# KiCad board 128CR.kicad_pcb (continued)
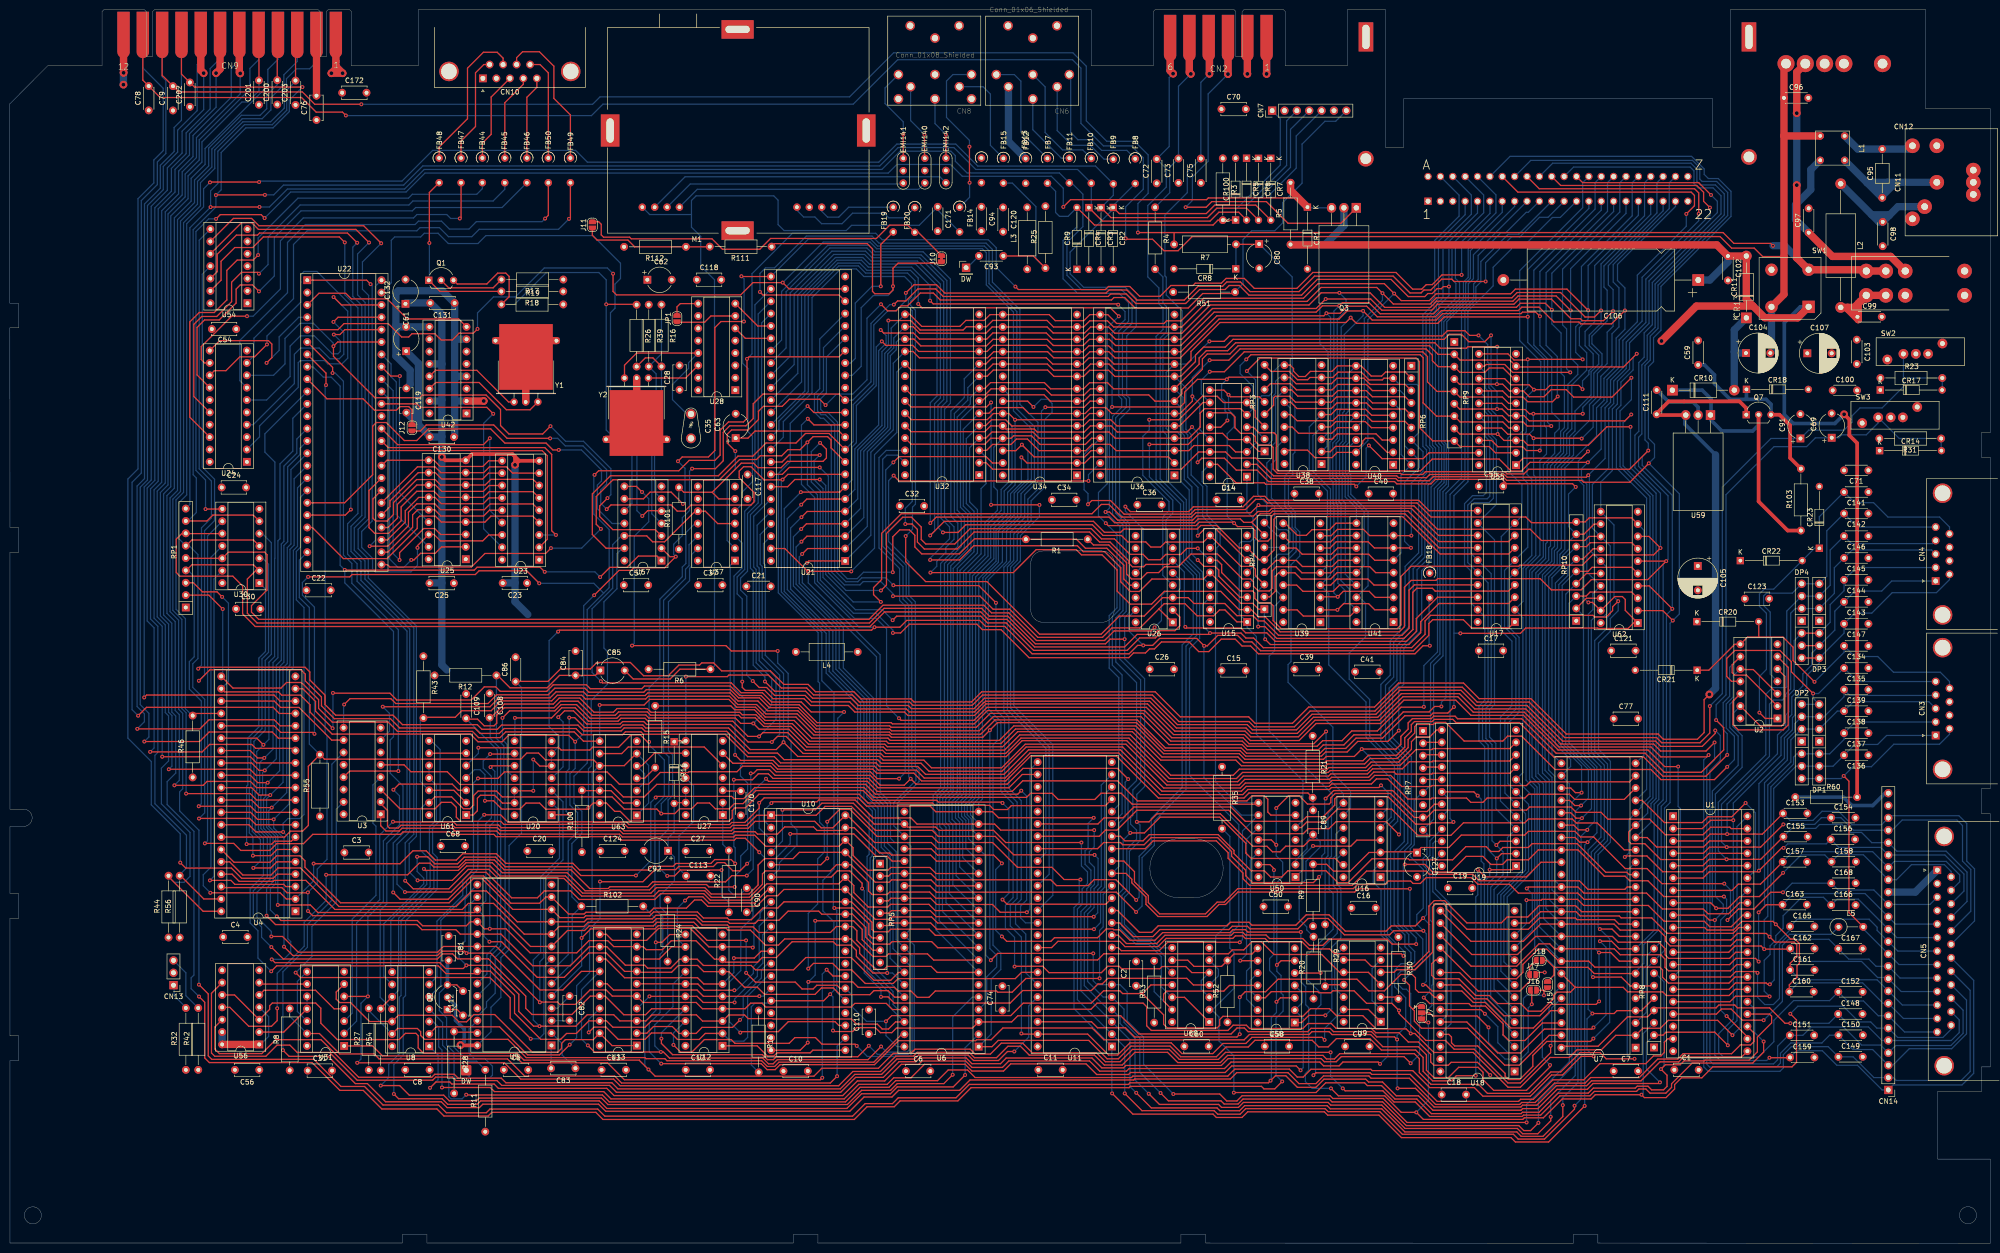
[diagram p0: board, top side]
## Routing (per net, layer and track width the routed paths; a pad name or vN(x,y) marks a point on that pad's centre or on a via; arc(x,y) is an arc through that point) (continued)
  Bottom w0.25: v1(108.83,49.49) 108.83,57.83 109.63,58.64 109.63,74.82 113.57,78.76 113.57,90.67 U20.3 ; v1(270.15,193.97) 268.95,192.77 268.95,184.78 270.63,183.1 270.63,166.48 U38.3 ; v1(311.37,70.49) 311.37,65.68 U18.12 ; v1(56.3,60.92) 56.3,83.2 54.18,85.32 v1(54.18,87.07) 57.35,90.24 57.35,117.37 58.23,118.24 58.23,142.32 59.08,143.17 59.08,155.19 U22.17 ; 318.54,70.65 316.6,72.58 316.6,95.72 315.18,97.14 315.18,137.02 317.68,139.52 317.68,141.97 318.53,142.82 318.53,159.42 321.03,161.92 321.03,165.74 324.3,169.02 324.3,172.29 325.93,173.92 325.93,178.69 327.93,180.69 327.93,187.14 329.15,188.37 v1(329.15,191.49) 329.15,195.89 328.18,196.87 328.18,200.84 339.42,212.08 339.42,214.05 ; v1(162.48,151.72) 159.63,148.87 159.63,134.27 168.23,125.67 168.23,117.47 174.65,111.04 174.65,91.22 177.08,88.79 177.08,79.59 176.63,79.14 176.63,56.42 181.33,51.72 181.33,49.04 182.36,48.01 U6.37 ; v1(178.8,187.59) 179.9,186.49 179.9,184.87 178.38,183.34 178.38,168.07 173.48,163.17 173.48,154.84 U21.6 ; v1(93.78,59.59) 94.28,60.09 94.28,69.41 U5.16
/CPU/D2: length 866.3
  Top w0.25: v1(180.38,189.54) 184.95,189.54 186.9,187.59 195.7,187.59 196.38,188.27 200.51,188.27 201.8,189.57 212.93,189.57 214.27,188.22 U34.13 220.46,188.22 221.73,189.49 225.35,189.49 226.62,188.22 U36.13 240.61,188.22 245.85,193.47 266.33,193.47 269.2,196.34 280.63,196.34 v1(281.8,195.17) 284.03,192.94 291.6,192.94 292.88,194.22 308.38,194.22 309.45,195.29 318.38,195.29 323.4,190.27 325.33,190.27 v1(326.68,191.62) ; U6.36 181.67,50.55 180.33,51.89 177.4,51.89 176.58,51.07 170.45,51.07 169.08,52.44 166.63,52.44 165.3,51.12 154.95,51.12 153.48,52.59 150.83,52.59 147.62,55.8 U12.7 142.47,55.8 141.2,57.07 137.28,57.07 135.88,55.67 128.9,55.67 U13.7 126.23,55.84 122.43,59.64 118.85,59.64 113.83,54.62 108.28,54.62 100.95,61.94 v1(98.48,61.94) ; v1(55.03,69.49) 61.7,69.49 63.25,67.94 95.35,67.94 U5.17 ; v1(98.63,100.49) 103.5,100.49 U20.9 ; U21.5 163.71,150.33 v1(162.53,149.14) ; U40.15 272.52,167.54 271.38,166.39 264.55,166.39 263.26,167.69 U38.15 ; v1(53.78,89.49) 51.2,89.49 49.64,91.05 43.41,91.05 ; U18.13 311.91,65.77 314.24,68.11 321.54,68.11 322.4,67.24 330.4,67.24 330.8,66.84 337.08,66.84 340.25,63.67 353.79,63.67 354.98,64.86 U1.31
  Bottom w0.25: v1(281.8,195.17) 281.8,193.69 278.08,189.97 278.08,169.24 U40.15 ; 318.54,68.11 316.05,70.59 316.05,95.19 314.65,96.59 314.65,137.34 317.1,139.79 317.1,142.24 317.73,142.87 317.73,159.42 320.2,161.89 320.2,165.72 321.33,166.84 321.33,170.94 324.63,174.24 324.63,179.02 326.2,180.59 326.2,182.44 324.25,184.39 324.25,186.57 326.68,188.99 v1(326.68,191.62) 326.68,201.17 336.88,211.37 CN1.19 ; v1(98.48,61.94) 97.4,63.02 97.4,67.17 U5.17 97.73,70.32 97.73,86.22 98.88,87.37 98.88,95.92 97.2,97.59 97.2,99.07 v1(98.63,100.49) ; v1(180.38,189.54) 180.38,184.49 179.05,183.17 179.05,167.97 174.08,162.99 174.08,152.9 U21.5 ; U6.36 177.15,57.06 177.15,78.67 177.73,79.24 177.73,88.94 175.35,91.32 175.35,111.17 168.98,117.54 168.98,125.69 160.3,134.37 160.3,146.92 v1(162.53,149.14) ; v1(55.03,69.49) 55.03,83.77 53.18,85.62 53.18,88.89 v1(53.78,89.49) 56.85,92.57 56.85,118.09 57.53,118.77 57.53,142.54 58.38,143.39 58.38,157.03 U22.16
/CPU/D3: length 884.2
  Top w0.25: U1.30 354.5,62.32 353.28,61.09 340.88,61.09 339.88,62.09 339.88,62.94 338.5,64.32 330.6,64.32 329.35,65.57 314.25,65.57 310.7,62.02 299.98,62.02 U18.15 ; U20.10 98.96,98.08 v1(98.7,97.82) ; v1(162.48,146.72) 163.55,147.79 U21.4 ; U40.17 272.49,162.46 271.43,161.39 267.93,161.39 266.4,162.92 261.99,162.92 U38.17 ; v1(53.48,92.07) 51.18,92.07 49.65,93.59 43.41,93.59 ; v1(54.83,67.14) 55.68,66.29 83.68,66.29 84.75,65.22 93.73,65.22 94.55,66.04 U5.18 97.44,64.59 v1(98.55,64.59) 101.88,64.59 106.8,59.67 116.4,59.67 118.9,62.17 122.75,62.17 123.98,60.94 128.71,60.94 128.73,60.92 130.05,60.92 130.65,60.32 133.98,60.32 135.8,62.14 140.88,62.14 144.68,58.34 U12.8 146.93,57.74 153.53,57.74 154.48,58.69 157.38,58.69 160.63,61.94 169.05,61.94 169.75,61.24 172.7,61.24 173.8,60.14 173.8,58.92 177.2,55.52 v1(180.13,55.52) ; 183.79,190.81 184.76,190.81 187.23,188.34 195.05,188.34 196.28,189.57 200.05,189.57 201.25,190.76 U34.15 213.38,190.76 214.63,189.52 220.5,189.52 221.75,190.76 U36.15 225.41,190.76 227.23,188.94 236.95,188.94 237.5,189.49 240.48,189.49 245.1,194.12 265.58,194.12 268.58,197.12 282.18,197.12 v1(284.2,195.09) 285.65,193.64 291.43,193.64 292.83,195.04 308.13,195.04 309.08,195.99 319.68,195.99 v1(324.03,191.64)
  Bottom w0.25: CN1.18 334.34,211.15 324.03,200.84 v1(324.03,191.64) 324.03,189.87 322.23,188.07 322.23,184.42 323.73,182.92 323.73,179.34 320.68,176.29 320.68,167.29 319.63,166.24 319.63,162.22 317.13,159.72 317.13,143.14 316.55,142.57 316.55,140.07 313.78,137.29 313.78,96.52 315.35,94.94 315.35,68.75 318.54,65.57 ; v1(284.2,195.09) 278.81,189.7 278.81,164.89 U40.17 ; U21.4 174.68,150.96 174.68,162.77 179.63,167.72 179.63,182.79 180.95,184.12 180.95,187.98 183.79,190.81 ; v1(162.48,146.72) 160.88,145.12 160.88,135.02 169.6,126.29 169.6,117.92 175.93,111.59 175.93,91.74 178.28,89.39 178.28,80.77 180.13,78.92 v1(180.13,55.52) 181.24,55.52 U6.35 ; v1(54.83,67.14) 53.5,68.47 53.5,72.79 54.58,73.87 54.58,83.58 52.73,85.43 52.73,91.32 v1(53.48,92.07) 56.1,94.69 56.1,118.19 56.98,119.07 56.98,142.89 57.73,143.64 57.73,158.92 U22.15 ; v1(98.7,97.82) 99.58,96.94 99.58,86.74 98.55,85.72 v1(98.55,64.59)
/CPU/D4: length 875.7
  Top w0.25: U1.29 354.31,59.78 353.05,58.52 340.55,58.52 339.83,59.24 339.83,60.52 338.5,61.84 330.2,61.84 329.02,63.03 313.24,63.03 309.53,59.32 300.14,59.32 U18.16 ; v1(52.73,67.29) 54.55,65.47 83.58,65.47 84.63,64.42 91.58,64.42 92.49,63.5 U5.19 100.84,63.5 107.34,57.01 115.07,57.01 118.98,60.92 122.57,60.92 126.38,57.12 130.35,57.12 130.95,56.52 135.7,56.52 137.53,58.34 U12.13 141.13,58.34 142.4,57.07 152.2,57.07 153.1,56.17 160.9,56.17 163.43,58.69 172.75,58.69 177.43,54.02 180.85,54.02 182.47,55.63 U6.34 ; U4.29 49.39,96.13 50.9,94.62 v1(52.95,94.62) ; v1(162.53,144.12) 163.66,145.25 U21.3 ; U39.2 272.54,130.11 v1(272.55,130.12) 273.83,131.39 278.95,131.39 280.21,130.13 U41.2 ; 183.79,188.27 185.45,188.27 186.78,186.94 200.4,186.94 201.68,188.22 U34.16 212.97,188.22 214.2,186.99 220.65,186.99 221.88,188.22 U36.16 225.57,188.22 226.85,186.94 240.63,186.94 246.43,192.74 266.73,192.74 269.23,195.24 v1(272.95,195.24) 279.25,195.24 282.25,192.24 291.65,192.24 292.93,193.52 308.58,193.52 309.65,194.59 317.45,194.59 v1(320.43,191.62)
  Bottom w0.25: v1(272.55,130.12) 274.21,131.78 274.21,134.03 272.64,135.6 272.64,151.65 272.29,152 272.29,156.65 271.61,157.33 271.61,164.4 272.52,165.31 272.52,189.82 274.33,191.63 274.33,193.86 v1(272.95,195.24) ; U6.34 180.73,58.57 180.73,79.52 178.9,81.34 178.9,89.72 176.53,92.09 176.53,111.89 170.28,118.14 170.28,126.54 161.43,135.39 161.43,143.02 v1(162.53,144.12) ; v1(52.73,67.29) 52.73,72.94 54.05,74.27 54.05,83.33 52.1,85.28 52.1,91.33 52.55,91.78 52.55,94.22 v1(52.95,94.62) 55.4,97.07 55.4,118.47 56.28,119.34 56.28,143.34 57.05,144.12 57.05,159.49 59.58,162.02 59.58,163.31 U22.14 ; U21.3 175.33,149.07 175.33,162.69 180.23,167.59 180.23,182.67 181.48,183.92 181.48,185.96 183.79,188.27 ; 318.54,63.03 314.85,66.71 314.85,94.34 313.28,95.92 313.28,137.69 315.93,140.34 315.93,142.87 316.3,143.24 316.3,159.69 318.98,162.37 318.98,166.52 319.88,167.42 319.88,176.44 321.9,178.47 321.9,180.39 320.43,181.87 v1(320.43,191.62) 320.43,200.19 331.8,211.56 CN1.17
/CPU/D5: length 927.1
  Top w0.25: v1(53.7,63.02) 56,63.02 59.23,59.79 87.85,59.79 89.02,60.96 U5.20 99.91,60.96 108.83,52.04 113.55,52.04 117.35,55.84 U13.14 ; U18.17 300,56.92 309.36,56.92 313.94,61.5 316.13,61.5 317.14,60.49 329.38,60.49 330.6,59.27 338.93,59.27 339.8,58.39 339.8,56.69 340.53,55.97 353.23,55.97 354.5,57.24 U1.28 ; U32.17 185.64,185.73 187.03,184.34 200.5,184.34 201.84,185.68 U34.17 212.96,185.68 214.23,184.42 220.38,184.42 221.64,185.68 U36.17 225.74,185.68 227,184.42 240.4,184.42 247.25,191.27 268.18,191.27 269.48,192.57 v1(272.93,192.57) 273.58,193.22 279.05,193.22 281.33,190.94 292.3,190.94 293.63,192.27 309.3,192.27 310.13,193.09 315.23,193.09 v1(316.58,191.74) ; v1(52.35,97.14) 51.18,97.14 49.65,98.67 U4.28 ; U41.3 280.32,132.67 279.08,133.92 273.75,133.92 v1(272.63,132.79) 269.2,132.79 U39.3 ; U21.2 163.79,142.71 v1(162.68,141.59) ; v1(178.88,40.42) 176.18,37.72 157.58,37.72 156.73,36.87 155.75,36.87 154.58,38.04 135.43,38.04 134.18,39.29 v1(133.68,39.29) 120.03,39.29 v1(118.68,40.64)
  Bottom w0.25: U12.14 136.15,53.25 136.15,48.59 132.43,44.87 132.43,40.54 v1(133.68,39.29) ; v1(272.93,192.57) 271.82,191.46 271.82,165.4 271.01,164.59 271.01,157.03 271.66,156.38 271.66,151.98 271.83,151.81 271.83,133.59 v1(272.63,132.79) ; U13.14 117.38,52.11 117.38,41.94 v1(118.68,40.64) ; v1(178.88,40.42) 180.03,39.27 184.2,39.27 184.79,39.85 184.79,57.05 U6.33 181.33,60.51 181.33,79.79 179.55,81.57 179.55,89.84 177.3,92.09 177.3,111.99 171.13,118.17 171.13,126.47 162.08,135.52 162.08,140.99 v1(162.68,141.59) ; U22.13 58.93,165.2 58.93,162.29 56.28,159.64 56.28,144.17 55.75,143.64 55.75,119.77 54.73,118.74 54.73,99.52 v1(52.35,97.14) 51.9,96.69 51.9,92.24 51.55,91.89 51.55,85.19 53.45,83.29 53.45,74.79 50.75,72.09 50.75,66.99 53.7,64.04 v1(53.7,63.02) ; U21.2 176.05,147.26 176.05,162.62 180.78,167.34 180.78,182.32 182,183.54 182,185.12 182.62,185.73 U32.17 ; CN1.16 329.26,211.95 316.58,199.27 v1(316.58,191.74) 316.58,188.87 318.48,186.97 318.48,178.72 319.15,178.04 319.15,167.54 318.38,166.77 318.38,162.64 315.63,159.89 315.63,143.99 315.3,143.67 315.3,140.67 312.5,137.87 312.5,95.74 314.03,94.22 314.03,65 318.54,60.49
/CPU/D6: length 911.9
  Top w0.25: v1(314.13,190.42) 313.28,191.27 310.55,191.27 310.25,190.97 294.15,190.97 292.83,189.64 279.7,189.64 v1(277.83,191.52) 274.55,191.52 272.88,189.84 248.25,189.84 240.28,181.87 226.9,181.87 225.63,183.14 U36.18 221.75,183.14 220.5,181.89 214.3,181.89 213.05,183.14 U34.18 202,183.14 200.75,181.89 186.73,181.89 185.43,183.19 U32.18 ; v1(163.65,139.77) 164.05,140.17 U21.1 ; 43.41,101.21 49.36,101.21 50.88,99.69 v1(52.25,99.69) ; U18.18 300.03,54.35 309.33,54.35 310.63,55.65 310.63,57.29 313.76,60.42 315.53,60.42 318,57.95 324.15,57.95 325.38,56.72 338.73,56.72 339.3,56.14 339.3,54.64 340.5,53.44 352.93,53.44 354.18,54.7 U1.27 ; U39.15 264.21,135.19 265.48,133.92 271.7,133.92 273,135.21 U41.15 ; v1(53.7,60.84) 56.15,58.39 87.78,58.39 88.83,59.44 90.93,59.44 91.95,58.42 U5.21 98.27,58.42 105.93,50.77 105.93,48.27 107.2,46.99 115.4,46.99 119.17,50.76 U13.16 122.23,50.76 126.05,46.94 130.53,46.94 131.77,48.18 U12.17 ; v1(133.78,42.04) 133.78,41.04 136.08,38.74 154.51,38.74 155.54,37.72 156.76,37.72 157.36,38.32 174.1,38.32 v1(176.35,40.57)
  Bottom w0.25: U41.15 276.38,135.21 274.17,137.42 274.17,152.05 273.53,152.69 273.53,157.11 273,157.64 273,164.12 273.65,164.77 273.65,170.6 273.96,170.91 273.96,186.68 277.83,190.54 v1(277.83,191.52) ; v1(163.65,139.77) 162.7,138.82 162.7,135.69 177.93,120.47 177.93,92.49 180.18,90.24 180.18,82.22 181.98,80.42 181.98,62.4 U6.32 185.24,59.14 185.24,39.67 184.39,38.82 178.1,38.82 v1(176.35,40.57) ; U22.11 58.1,169.46 58.1,162.72 55.48,160.09 55.48,144.72 55.05,144.29 55.05,120.29 54.05,119.29 54.05,101.49 v1(52.25,99.69) 51.3,98.74 51.3,92.62 51.05,92.37 51.05,84.99 52.88,83.17 52.88,75.27 50,72.39 50,66.67 51.7,64.97 51.7,62.84 v1(53.7,60.84) ; CN1.15 326.72,212.21 314.13,199.62 v1(314.13,190.42) 314.13,184.42 316.55,181.99 316.55,170.72 318.1,169.17 318.1,167.34 317.15,166.39 317.15,162.24 314.83,159.92 314.83,141.02 312,138.19 312,95.24 313.55,93.69 313.55,62.93 318.54,57.95 ; U12.17 133.78,43.25 v1(133.78,42.04) ; U21.1 176.78,145.44 176.78,162.49 181.38,167.09 181.38,180.78 U32.18
/CPU/D7: length 936.9
  Top w0.25: U41.17 275.17,128.84 265.55,128.84 264.29,130.11 U39.17 ; 321.38,52.57 331.23,52.57 332.15,51.64 339.33,51.64 340.08,50.89 352.95,50.89 354.22,52.16 U1.26 ; 321.38,52.57 320.4,51.59 317.63,51.59 316.98,50.94 316.98,50.32 314.33,47.67 311.73,47.67 310.15,49.24 305.43,49.24 303.78,50.89 300.93,50.89 297.48,54.34 292.6,54.34 291.93,55.02 291.93,57.44 292.64,58.15 U18.19 ; 321.38,52.57 318.54,55.41 ; U21.47 159.11,142.71 v1(163.93,137.89) 164.05,138.02 v1(172.75,138.02) ; v1(311.63,190.32) 311.6,190.29 294.48,190.29 293.15,188.97 276.45,188.97 v1(275.28,190.14) 274.28,189.14 248.45,189.14 242.5,183.19 242.5,181.42 240.38,179.29 226.98,179.29 225.67,180.6 221.86,180.6 220.6,179.34 214.28,179.34 213.02,180.6 201.86,180.6 200.63,179.37 185.07,179.37 U32.19 ; v1(136.25,40.74) 137.73,39.27 140.03,39.27 142.6,41.84 148.1,41.84 148.87,41.07 160.01,41.07 161.18,42.24 165.4,42.24 166.75,40.89 173.53,40.89 v1(173.88,40.54) ; U4.26 50.72,103.75 v1(52.08,102.39) ; v1(53.68,55.87) 54.8,56.99 87.95,56.99 89.55,55.39 95.5,55.39 U5.22 98.66,55.88 103.63,50.92 103.63,47.27 109,41.89 113.1,41.89 114.3,43.09 116.3,43.09 118.89,45.68 122.51,45.68 123.83,44.37 130.4,44.37 131.68,45.64 U12.18
  Bottom w0.25: v1(275.28,190.14) 273.33,188.2 273.33,171.3 273.01,170.98 273.01,165.08 272.28,164.35 272.28,157.54 272.89,156.93 272.89,152.37 273.29,151.97 273.29,136.12 274.99,134.42 274.99,131.6 U41.17 ; CN1.14 324.18,212.57 311.63,200.02 v1(311.63,190.32) 311.63,185.04 315.03,181.64 315.03,167.97 315.48,167.52 315.48,162.14 314.13,160.79 314.13,141.37 311.28,138.52 311.28,95.14 313.05,93.37 313.05,60.89 318.54,55.41 ; v1(173.88,40.54) 176.05,38.37 184.58,38.37 185.69,39.48 185.69,61.23 U6.31 185,64.59 185,81.54 184.25,82.29 181.7,82.29 180.8,83.19 180.8,90.54 178.68,92.67 178.68,120.89 163.93,135.64 v1(163.93,137.89) ; v1(172.75,138.02) 177.53,142.79 177.53,161.99 182.1,166.57 182.1,178.97 U32.19 ; U22.10 52.38,166.27 52.38,162.52 54.43,160.47 54.43,140.74 54.38,140.69 54.38,120.52 53.2,119.34 53.2,103.52 v1(52.08,102.39) 50.7,101.02 50.7,92.99 50.38,92.67 50.38,84.87 52.08,83.17 52.08,75.54 49.35,72.82 49.35,65.79 50.95,64.19 50.95,58.59 v1(53.68,55.87) ; v1(136.25,40.74) 136.25,43.19 U12.18
/CPU/ZD0: length 57.5
  Top w0.25: v1(118.85,43.32) 119.93,44.39 122.4,44.39 124.9,41.89 130.43,41.89 131.73,43.19 135.75,43.19 137.08,41.87 141.55,41.87 142.79,43.1 U12.2
  Bottom w0.25: U13.17 118.85,45.97 v1(118.85,43.32) ; U12.2 147.91,41.52 150.7,41.52 151.48,42.29 151.48,50.77 155.61,54.9 U10.14
/CPU/ZD1: length 36.9
  Top w0.25: 121.11,53.3 122.64,53.3 123.93,52.02 141.1,52.02 142.4,50.72 U12.5 153.83,50.72 v1(153.88,50.77)
  Bottom w0.25: U10.15 154.71,50.77 v1(153.88,50.77)
/CPU/ZD2: length 41.8
  Top w0.25: U10.12 154.24,59.98 152.85,58.59 148.68,58.59 v1(148.65,58.57) ; U12.6 142.48,53.26 141.2,54.54 126.23,54.54 122.39,58.38 U13.13
  Bottom w0.25: U12.6 148.65,55.59 v1(148.65,58.57)
/CPU/ZD3: length 45.5
  Top w0.25: U13.11 122.48,63.46 123.73,62.22 130.74,62.22 133.19,64.67 139.73,64.67 143.51,60.88 U12.9 152.39,60.88 v1(152.53,60.74)
  Bottom w0.25: v1(152.53,60.74) 152.78,60.99 152.78,65.62 154.03,66.87 154.03,67.86 U10.8
/CPU/ZD4: length 41.5
  Top w0.25: U10.7 155.69,72.68 152.9,69.89 143.55,69.89 142.28,71.17 139.4,71.17 v1(138.63,70.39) ; U12.12 135.84,60.88 133.34,58.38 U13.8
  Bottom w0.25: U12.12 137.05,62.54 137.05,68.82 v1(138.63,70.39)
/CPU/ZD5: length 39.6
  Top w0.25: v1(148.75,51.97) 142.55,51.97 141.26,53.26 U12.15 138.67,53.3 128.73,53.3
  Bottom w0.25: v1(148.75,51.97) 149.18,51.97 152.65,55.44 152.65,56.82 153.85,58.02 153.85,65.15 U10.9
/CPU/ZD6: length 40.3
  Top w0.25: v1(148.8,49.47) 142.35,49.47 141.1,50.72 U12.16 131.33,50.72 v1(131.33,50.72)
  Bottom w0.25: v1(131.33,50.72) 128.83,48.22 U13.4 ; v1(148.8,49.47) 148.8,50.17 153.48,54.84 153.48,56.39 154.6,57.52 154.6,63.36 U10.10
/CPU/ZD7: length 38.1
  Top w0.25: v1(149.93,45.89) 148.38,44.34 142.13,44.34 140.89,43.1 U12.19 137.44,43.1 136.03,44.52 132.15,44.52 130.78,43.14 U13.2
  Bottom w0.25: U10.13 155.6,57.44 154.3,56.14 154.3,54.49 150.58,50.77 150.58,46.54 v1(149.93,45.89)
/CPU/~{RD}: length 26.6
  Top w0.25: U10.21 164.87,39.66 164.33,39.12 157.53,39.12 156.88,38.47 155.53,38.47 153.43,40.56 U12.1
/DRAM/VMA0: length 259.1
  Top w0.25: RP4.1 256.38,130.24 255.18,131.44 252.74,131.44 U15.12 245.07,136.44 234.48,136.44 231.93,133.89 230.05,133.89 228.08,135.87 228.08,138.77 224.78,142.07 220.38,142.07 219.15,143.29 197.9,143.29 194.98,140.37 v1(188.95,140.37) ; v1(257.73,124.07) 258.8,122.99 287.23,122.99 289.65,125.42 289.65,127.69 293.38,131.42 307.69,131.42 U17.3
  Bottom w0.25: v1(257.73,124.07) 257.55,124.24 RP4.1 ; U21.32 159.38,183.92 159.38,195.47 168.35,204.44 175.98,204.44 177.4,203.02 187.1,203.02 192.38,197.74 192.38,172.94 191.2,171.77 191.2,148.89 192.93,147.17 192.93,144.72 188.95,140.74 v1(188.95,140.37)
/DRAM/VMA1: length 255.5
  Top w0.25: RP4.3 255.72,137.15 255.72,138.48 255.16,139.04 252.76,139.04 246.41,145.39 U15.9 245.05,144.04 237.28,144.04 236.25,143.02 234.25,143.02 233.2,144.07 229.53,144.07 228.2,145.39 224.45,145.39 222.25,147.59 196.25,147.59 194.68,146.02 v1(191.58,146.02) ; U17.4 307.7,133.97 292.63,133.97 292.05,134.54 288.85,134.54 288.03,133.72 288.03,126.07 286.2,124.24 260.1,124.24 257.68,126.67 v1(256.28,126.67)
  Bottom w0.25: v1(256.28,126.67) 256.28,134.05 RP4.3 ; U21.33 160.2,182.21 160.2,195.22 168.78,203.79 175.68,203.79 177.03,202.44 186.8,202.44 191.73,197.52 191.73,173.32 190.55,172.14 190.55,147.04 v1(191.58,146.02)
/DRAM/VMA2: length 246.4
  Top w0.25: v1(188.95,145.39) 191.85,148.29 222.48,148.29 224.73,146.04 228.05,146.04 228.73,146.72 243.78,146.72 244.5,147.44 247.78,147.44 252.36,142.86 U15.7 256.48,140.4 RP4.5 259.53,142.38 259.53,148.72 260.08,149.27 285.95,149.27 293.63,141.59 307.7,141.59 U17.7
  Bottom w0.25: U21.34 161.03,180.49 161.03,194.99 169.15,203.12 175.48,203.12 176.83,201.77 186.3,201.77 191.05,197.02 191.05,173.64 189.85,172.44 189.85,146.29 v1(188.95,145.39)
/DRAM/VMA3: length 248.4
  Top w0.25: v1(188.98,147.94) 190.2,149.17 225.68,149.17 226.83,148.02 243.2,148.02 243.98,148.79 252.63,148.79 253.33,148.09 254.94,148.09 ; U17.8 307.71,144.14 293.33,144.14 287.08,150.39 259.25,150.39 258.7,149.84 256.69,149.84 254.94,148.09 ; 254.94,148.09 RP4.7
  Bottom w0.25: U15.4 256.18,137.39 256.18,144.11 RP4.7 ; U21.35 161.78,178.7 161.78,194.77 169.5,202.49 175.13,202.49 176.48,201.14 185.95,201.14 190.35,196.74 190.35,174.04 188.98,172.67 v1(188.98,147.94)
/DRAM/VMA4: length 341.8
  Top w0.25: v1(226.3,171.79) 240.28,171.79 241.18,172.69 241.18,174.82 243.83,177.47 v1(249.85,177.47) 250.29,177.91 RP3.7 ; v1(249.98,169.02) 248.59,167.63 U14.12 ; v1(188.93,193.62) 189.58,192.97 227.38,192.97 v1(227.55,192.79) ; v1(224.95,150.22) 225.78,150.22 227.45,148.54 242.83,148.54 243.68,149.39 255.33,149.39 256.25,150.32 258.45,150.32 259.1,150.97 287.73,150.97 293.29,145.4 U17.13
  Bottom w0.25: U21.36 162.55,176.94 162.55,194.69 169.8,201.94 174.83,201.94 176.25,200.52 185.15,200.52 188.93,196.74 v1(188.93,193.62) ; v1(249.98,169.02) 249.98,170.49 249.48,170.99 249.48,172.92 248.78,173.62 248.78,176.39 v1(249.85,177.47) ; U11.19 228.35,88.24 228.35,116.74 226.35,118.74 226.35,128.69 227.9,130.24 227.9,147.27 v1(224.95,150.22) 225.75,151.02 225.75,171.24 v1(226.3,171.79) 226.3,187.07 228.95,189.72 228.95,191.39 v1(227.55,192.79)
/DRAM/VMA5: length 338.7
  Top w0.25: v1(225,147.92) 225.5,147.42 243.5,147.42 244.2,148.12 251.15,148.12 v1(251.35,147.92) 252.05,147.22 254.85,147.22 255.63,146.44 255.63,144.97 256.35,144.24 258.28,144.24 258.9,144.87 258.9,149.19 259.55,149.84 286.43,149.84 293.41,142.86 U17.14 ; v1(186.5,192.94) 187.28,192.17 225.93,192.17 v1(227.68,190.42) ; U14.9 249.25,175.25 v1(250.2,174.29) 250.6,173.89 256.54,173.89 RP3.5
  Bottom w0.25: U21.37 163.23,175.07 163.23,194.57 170,201.34 174.5,201.34 175.98,199.87 184.9,199.87 186.5,198.27 v1(186.5,192.94) ; v1(250.2,174.29) 250.2,171.22 251.35,170.07 251.35,167.72 249.93,166.29 249.93,149.34 v1(251.35,147.92) ; v1(227.68,190.42) 225.3,188.04 225.3,156.02 223.5,154.22 223.5,149.42 v1(225,147.92) 227.3,145.62 227.3,130.52 225.7,128.92 225.7,118.14 227.68,116.17 227.68,90.1 U11.20
/DRAM/VMA6: length 67.2
  Top w0.25: v1(233.93,169.17) 240,169.17 244.83,173.99 247.88,173.99 249.16,172.71 U14.7 255.68,171 255.68,169.67 RP3.3
  Bottom w0.25: v1(233.93,169.17) 233.93,167.07 232.6,165.74 232.6,157.74 237.98,152.37 237.98,150.47 236.7,149.19 236.7,137.21 U26.4
/DRAM/VMA7: length 50.6
  Top w0.25: v1(233.95,164.09) 241.93,164.09 244.2,166.37 248.98,166.37 250.26,165.09 U14.4 256.4,162.67 RP3.1
  Bottom w0.25: v1(233.95,164.09) 233.95,157.44 238.75,152.64 238.75,149.94 237.35,148.54 237.35,144.18 U26.7
/DRAM/~{GCAS0}: length 11.7
  Bottom w0.25: U9.12 272,52.4 272,58.9 273.83,60.73
/DRAM/~{GCAS1}: length 11.6
  Bottom w0.25: U9.6 279.68,56.42 279.68,49.81 281.45,48.03
/I/O/COL0: length 197.2
  Top w0.25: v1(353.83,86.89) 349.18,86.89 347.46,85.18 U1.2 ; DP4.6 367.88,122.77 DP3.2
  Bottom w0.25: CN4.1 386.35,136.04 384.29,133.98 378.79,133.98 C143.2 374.66,129.85 374.66,125.96 DP3.2 369.94,121.24 369.94,118.81 368.1,116.97 368.1,114.49 365.83,112.22 365.83,108.6 365.22,107.99 365.22,105.54 363.62,103.94 363.62,100.24 353.83,90.44 v1(353.83,86.89) 353.83,46.07 350.83,43.07 350.83,39.24 351.83,38.24 358.98,38.24 362.15,41.42 362.15,45.79 366.2,49.84 373.58,49.84 C152.1 377.25,49.77 380.55,49.77 383.59,46.73 385.65,46.73 388.98,43.4 CN5.13
/I/O/COL1: length 178.2
  Top w0.25: DP3.3 371.46,125.32 DP4.5 ; C153.1 359.78,84.04 v1(352.55,84.04) 349.05,84.04 347.65,82.64 U1.3
  Bottom w0.25: CN5.19 403.35,66.22 403.35,76.89 401.75,78.49 401.75,86.22 400.15,87.82 386.1,87.82 384.25,85.97 378.2,85.97 375.43,88.74 372.05,88.74 370.18,86.87 365.45,86.87 C153.1 ; v1(352.55,84.04) 352.55,90.22 362.89,100.56 362.89,104.41 364.57,106.09 364.57,108.49 365.23,109.15 365.23,112.64 366.32,113.73 366.32,123.77 DP4.5 ; DP3.3 373.71,127.55 373.71,131.19 376.56,134.04 C144.2 379.1,138.81 CN4.2
/I/O/COL2: length 183
  Top w0.25: 341.34,80.11 347.67,80.11 348.93,81.37 v1(352.48,81.37) 359.43,81.37 v1(364.1,86.04)
  Bottom w0.25: CN5.18 402.58,68.21 402.58,76.79 400.88,78.49 400.88,85.79 399.73,86.94 388.5,86.94 386.39,84.83 385.65,84.83 385.64,84.84 378.5,84.84 375.93,87.42 C154.1 371.9,87.42 370.53,86.04 v1(364.1,86.04) ; CN4.3 394.54,142.41 378.2,142.41 C145.2 374.57,138.78 374.57,133.49 DP3.5 367.88,130.39 DP4.3 366.58,130.4 365.6,129.42 365.6,113.84 364.58,112.82 364.58,112.28 363.87,111.58 362.08,111.58 361.25,110.75 361.25,100.02 351.4,90.17 351.4,82.44 v1(352.48,81.37)
/I/O/COL3: length 179.9
  Top w0.25: C155.1 359.45,78.87 v1(352.45,78.87) 348.88,78.87 347.58,77.57 341.34,77.57
  Bottom w0.25: CN5.17 401.8,70.21 401.8,76.24 397.5,80.54 387.4,80.54 385.65,82.29 382.25,82.29 380.15,84.39 377.75,84.39 376.13,86.02 371.53,86.02 370.73,85.22 365.8,85.22 C155.1 ; v1(352.45,78.87) 350.75,80.57 350.75,90.59 360.5,100.34 360.5,112.78 361.87,114.15 364.68,114.15 364.8,114.27 364.8,129.87 DP4.2 367.88,132.93 DP3.6 373.72,135.18 373.72,142.42 C146.2 378.09,143.73 394.75,143.73 CN4.4
/I/O/COL4: length 161.2
  Top w0.25: U1.6 347.6,75.02 348.9,76.32 358.87,76.32 v1(359.09,76.54) 363.77,81.22 v1(364.15,81.22) ; DP3.1 367.88,120.23 DP4.7
  Bottom w0.25: CN4.6 398.21,136.33 395.53,133.65 386.45,133.65 382.25,129.45 378.76,129.45 C147.2 376.56,125.32 DP3.1 371.47,119.2 368.9,116.63 368.9,114.09 366.47,111.66 366.47,108.47 365.97,107.97 365.97,105.46 364.31,103.8 364.31,99.64 359.09,94.41 v1(359.09,76.54) ; CN5.16 401.18,72.35 401.18,75.84 397.27,79.75 CN14.20 384.09,81.32 375.48,81.32 C156.1 372.9,82.04 364.98,82.04 v1(364.15,81.22) ; 367.88,120.23 DP4.7
/I/O/COL5: length 69
  Top w0.25: C157.1 359.4,73.77 354.85,73.77 353.56,72.48 U1.7
  Bottom w0.25: CN5.15 400.3,74.25 400.3,75.67 397.53,78.44 386.88,78.44 385.65,77.21 382.42,80.44 366.08,80.44 C157.1
/I/O/COL6: length 150.7
  Top w0.25: U2.12 353.75,111.37 353.75,106.55 354.84,105.46 364.08,105.46 365.1,106.48 365.1,118.3 U2.6 ; U1.8 349.18,69.94 v1(350.3,68.82) 352.73,68.82 355.13,71.22 359.18,71.22 v1(364.05,76.09)
  Bottom w0.25: U2.12 353.1,110.72 353.1,105.92 354.83,104.19 354.83,98.19 349.53,92.89 349.53,69.59 v1(350.3,68.82) ; CN5.14 398.54,76.39 397.16,77.77 390.4,77.77 387.31,74.67 385.65,74.67 380.53,79.79 375.43,79.79 C158.1 372.6,79.77 367.73,79.77 v1(364.05,76.09)
/I/O/COL7: length 193.3
  Top w0.25: U2.5 364.41,116.45 364.41,106.96 363.72,106.27 359.35,106.27 U2.13 ; v1(361.25,38.12) 365.43,38.12 C159.1 ; v1(350.03,66.39) 348.9,66.39 347.9,67.4 U1.9
  Bottom w0.25: CN5.20 403.18,54 403.18,34.92 400.78,32.52 386.68,32.52 CN14.1 384.38,31.49 379.3,36.57 375.08,36.57 372.1,39.54 366.85,39.54 C159.1 ; v1(361.25,38.12) 360.68,37.54 351.15,37.54 350.03,38.67 v1(350.03,66.39) 351.76,68.13 351.76,69.62 350.15,71.23 350.15,92.28 355.63,97.76 355.63,104.29 353.73,106.19 353.73,108.81 U2.13
